# KiCad board Marble.kicad_pcb (continued)
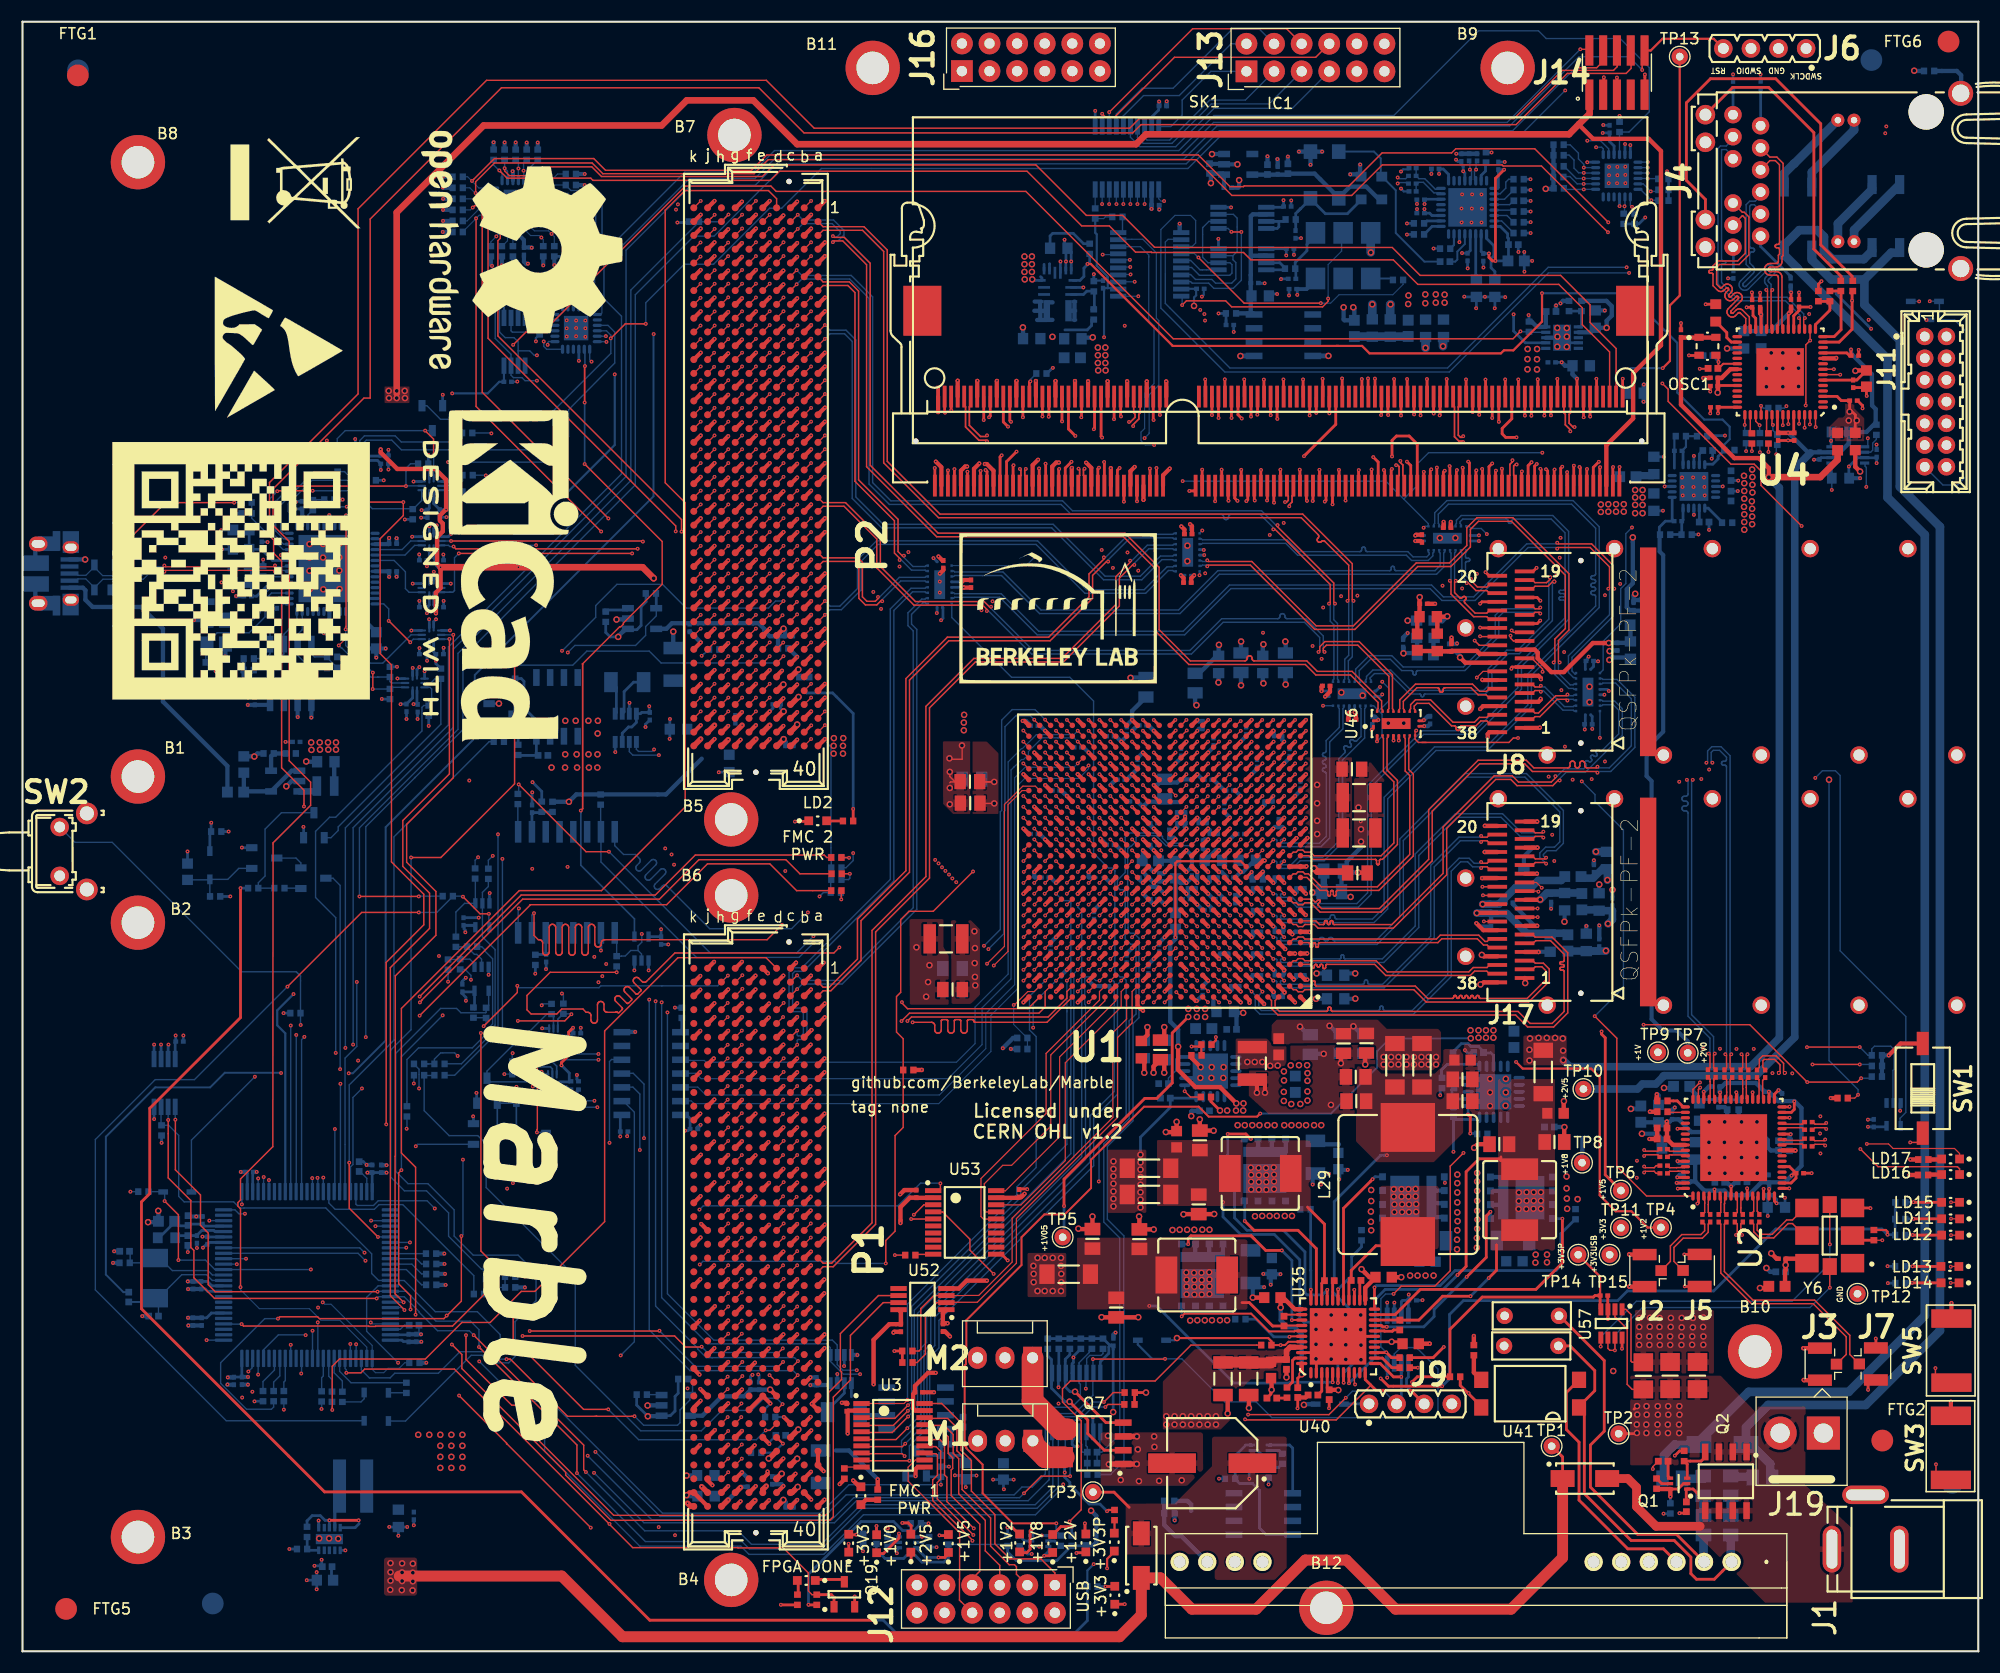
[diagram p0: board, top side]
## Routing (per net, layer and track width the routed paths; a pad name or vN(x,y) marks a point on that pad's centre or on a via; arc(x,y) is an arc through that point) (continued)
/SDRAM/DDR3_DQ40: length 39.6
  Top w0.254: v1(130.17,108.96) 130.17,108.95 SK1.147 ; U1.AF2 v1(117.12,85.73)
  In2.Cu w0.135: v1(130.17,108.96) 130.17,108.71 124.32,102.85 124.32,102.31 124.31,102.25 124.29,102.18 124.25,102.13 124.2,102.08 124.15,102.04 124.08,102.02 124.02,102.01 123.95,102.01 123.88,102.01 123.82,101.98 123.76,101.95 123.72,101.9 123.68,101.84 123.66,101.78 123.65,101.71 123.66,101.65 123.68,101.58 123.72,101.53 123.76,101.48 123.82,101.44 123.88,101.42 123.95,101.41 124.02,101.41 124.08,101.41 124.15,101.38 124.2,101.35 124.25,101.3 124.29,101.24 124.31,101.18 124.32,101.11 124.32,99.24 124.31,99.17 124.29,99.11 124.25,99.05 124.2,99.01 124.15,98.97 124.08,98.95 124.02,98.94 123.87,98.94 123.8,98.93 123.74,98.91 123.68,98.88 123.63,98.83 123.6,98.77 123.58,98.71 123.57,98.64 123.58,98.57 123.6,98.51 123.63,98.45 123.68,98.41 123.74,98.37 123.8,98.35 123.87,98.34 124.87,98.34 124.93,98.33 125,98.31 125.05,98.28 125.1,98.23 125.14,98.17 125.16,98.11 125.17,98.04 125.16,97.97 125.14,97.91 125.1,97.85 125.05,97.81 125,97.77 124.93,97.75 124.87,97.74 123.87,97.74 123.8,97.73 123.74,97.71 123.68,97.68 123.63,97.63 123.6,97.57 123.58,97.51 123.57,97.44 123.58,97.37 123.6,97.31 123.63,97.25 123.68,97.21 123.74,97.17 123.8,97.15 123.87,97.14 124.87,97.14 124.93,97.13 125,97.11 125.05,97.08 125.1,97.03 125.14,96.97 125.16,96.91 125.17,96.84 125.16,96.77 125.14,96.71 125.1,96.65 125.05,96.61 125,96.57 124.93,96.55 124.87,96.54 123.87,96.54 123.8,96.53 123.74,96.51 123.68,96.48 123.63,96.43 123.6,96.37 123.58,96.31 123.57,96.24 123.58,96.17 123.6,96.11 123.63,96.05 123.68,96.01 123.74,95.97 123.8,95.95 123.87,95.94 124.87,95.94 124.93,95.93 125,95.91 125.05,95.88 125.1,95.83 125.14,95.77 125.16,95.71 125.17,95.64 125.16,95.57 125.14,95.51 125.1,95.45 125.05,95.41 125,95.37 124.93,95.35 124.87,95.34 124.62,95.34 124.55,95.33 124.49,95.31 124.43,95.28 124.38,95.23 124.35,95.17 124.33,95.11 124.32,95.04 124.32,94.62 117.12,87.42 v1(117.12,85.73)
/SDRAM/DDR3_DQ41: length 39.6
  Top w0.254: SK1.149 130.77,108.55 130.88,108.66 v1(130.9,108.66) ; U1.AE2 v1(117.12,84.73)
  In2.Cu w0.135: v1(117.12,84.73) 117.46,85.07 117.46,86.98 125.42,94.94 125.42,98.75 125.43,98.82 125.45,98.88 125.49,98.94 125.54,98.98 125.59,99.02 125.66,99.04 125.72,99.05 125.98,99.05 126.04,99.06 126.11,99.08 126.16,99.11 126.21,99.16 126.25,99.22 126.27,99.28 126.28,99.35 126.27,99.42 126.25,99.48 126.21,99.54 126.16,99.58 126.11,99.62 126.04,99.64 125.98,99.65 124.97,99.65 124.9,99.66 124.84,99.68 124.78,99.71 124.73,99.76 124.7,99.82 124.68,99.88 124.67,99.95 124.68,100.02 124.7,100.08 124.73,100.14 124.78,100.18 124.84,100.22 124.9,100.24 124.97,100.25 125.98,100.25 126.04,100.26 126.11,100.28 126.16,100.31 126.21,100.36 126.25,100.42 126.27,100.48 126.28,100.55 126.27,100.62 126.25,100.68 126.21,100.74 126.16,100.78 126.11,100.82 126.04,100.84 125.98,100.85 124.97,100.85 124.9,100.86 124.84,100.88 124.78,100.91 124.73,100.96 124.7,101.02 124.68,101.08 124.67,101.15 124.68,101.22 124.7,101.28 124.73,101.34 124.78,101.38 124.84,101.42 124.9,101.44 124.97,101.45 125.98,101.45 126.04,101.46 126.11,101.48 126.16,101.51 126.21,101.56 126.25,101.62 126.27,101.68 126.28,101.75 126.27,101.82 126.25,101.88 126.21,101.94 126.16,101.98 126.11,102.02 126.04,102.04 125.98,102.05 124.97,102.05 124.9,102.06 124.84,102.08 124.78,102.11 124.73,102.16 124.7,102.22 124.68,102.28 124.67,102.35 124.68,102.42 124.7,102.48 124.73,102.54 124.78,102.58 124.84,102.62 124.9,102.64 124.97,102.65 125.12,102.65 125.19,102.66 125.25,102.68 125.31,102.71 125.36,102.76 125.39,102.82 125.41,102.88 125.42,102.95 125.42,103.19 v1(130.9,108.66)
/SDRAM/DDR3_DQ42: length 39.6
  Top w0.254: v1(133.06,109.5) 133.17,109.39 SK1.157 ; U1.AE1 v1(118.12,84.73)
  In4.Cu w0.135: v1(133.06,109.5) 133.06,110.32 132.67,110.7 131.67,110.7 131.34,110.37 131.34,109.76 131.69,109.41 131.69,108.93 131.67,108.91 131.67,108.56 131.76,108.47 131.76,106.96 127.77,102.98 127.77,102.14 124.56,98.92 124.56,92.71 124.01,92.17 123.96,92.13 123.9,92.1 123.84,92.08 123.78,92.08 123.72,92.1 123.66,92.13 123.56,92.21 123.5,92.24 123.44,92.25 123.37,92.25 123.31,92.24 123.25,92.21 123.2,92.17 123.18,92.15 123.14,92.1 123.11,92.04 123.1,91.98 123.1,91.91 123.11,91.85 123.14,91.79 123.18,91.74 123.39,91.54 123.38,91.53 123.58,91.33 123.62,91.28 123.65,91.22 123.66,91.16 123.66,91.09 123.65,91.03 123.62,90.97 123.58,90.92 123.56,90.9 123.51,90.86 123.45,90.84 123.39,90.82 123.33,90.82 123.26,90.84 123.21,90.86 123.1,90.94 123.05,90.97 122.98,90.99 122.92,90.99 122.86,90.97 122.8,90.94 122.75,90.9 122.17,90.33 122.17,87.85 120.67,86.35 120.67,85.87 119.53,84.73 v1(118.12,84.73)
/SDRAM/DDR3_DQ43: length 39.7
  Top w0.254: SK1.159 133.77,108.67 v1(133.8,108.7) ; U1.AD1 v1(118.12,83.73)
  In4.Cu w0.135: v1(118.12,83.73) 118.29,83.91 119.74,83.91 120.48,84.64 120.53,84.69 120.59,84.71 120.66,84.73 120.72,84.73 120.79,84.71 120.85,84.69 120.9,84.64 121.11,84.43 121.17,84.39 121.23,84.36 121.29,84.34 121.36,84.34 121.42,84.36 121.49,84.39 121.54,84.43 121.58,84.48 121.61,84.54 121.62,84.61 121.62,84.68 121.61,84.74 121.58,84.8 121.54,84.85 121.11,85.28 121.13,85.3 120.97,85.46 120.94,85.5 120.92,85.54 120.91,85.59 120.91,85.64 120.92,85.69 120.94,85.74 120.97,85.78 121.08,85.88 121.12,85.91 121.16,85.93 121.21,85.95 121.26,85.95 121.31,85.93 121.36,85.91 121.43,85.85 121.48,85.83 121.53,85.82 121.58,85.82 121.63,85.83 121.67,85.85 121.71,85.88 121.71,86.63 122.87,87.79 122.87,88.85 122.88,88.87 122.88,89.32 123.41,89.85 123.44,89.89 123.46,89.93 123.47,89.97 123.47,90.02 123.46,90.06 123.44,90.1 123.39,90.17 123.37,90.21 123.36,90.26 123.36,90.3 123.37,90.35 123.39,90.39 123.41,90.42 123.56,90.56 123.59,90.59 123.63,90.61 123.67,90.62 123.72,90.62 123.76,90.61 123.8,90.59 123.84,90.56 124.3,90.1 124.35,90.06 124.41,90.03 124.48,90.02 124.55,90.02 124.61,90.03 124.67,90.06 124.72,90.1 124.77,90.15 124.79,90.21 124.81,90.28 124.81,90.35 124.79,90.41 124.77,90.47 124.72,90.53 123.98,91.27 123.94,91.32 123.91,91.38 123.89,91.45 123.89,91.52 123.91,91.58 123.94,91.64 123.98,91.69 124.03,91.74 124.09,91.77 124.16,91.78 124.23,91.78 124.29,91.77 124.35,91.74 124.4,91.69 124.62,91.48 124.67,91.44 124.73,91.41 124.8,91.4 124.86,91.4 124.93,91.41 124.99,91.44 125.04,91.48 125.04,98.1 129.11,102.16 129.11,102.96 129.74,103.6 129.74,104.24 133.8,108.31 v1(133.8,108.7)
/SDRAM/DDR3_DQ44: length 39.7
  Top w0.2: 114.08,84.69 v1(114.08,84.73)
  Top w0.254: v1(129.88,113.93) 129.87,113.95 SK1.146 ; U1.AE5 114.08,84.69
  In2.Cu w0.135: v1(114.08,84.73) 114.63,85.28 114.63,88.06 117.42,90.86 117.42,94.01 118.25,94.84 118.25,99.28 127.77,108.8 127.77,111.83 127.93,111.99 127.98,112.03 128.04,112.06 128.11,112.07 128.18,112.07 128.24,112.06 128.3,112.03 128.35,111.99 128.42,111.92 128.47,111.88 128.53,111.85 128.6,111.83 128.67,111.83 128.73,111.85 128.79,111.88 128.85,111.92 128.89,111.97 128.92,112.03 128.93,112.1 128.93,112.17 128.92,112.23 128.89,112.29 128.85,112.34 128.39,112.8 128.36,112.84 128.33,112.89 128.32,112.94 128.32,113 128.33,113.05 128.36,113.1 128.39,113.15 128.47,113.22 128.51,113.25 128.56,113.28 128.61,113.29 128.67,113.29 128.72,113.28 128.77,113.25 128.86,113.19 128.91,113.16 128.96,113.15 129.02,113.15 129.07,113.16 129.12,113.19 129.17,113.22 v1(129.88,113.93)
/SDRAM/DDR3_DQ45: length 39.6
  Top w0.254: U1.AE6 v1(113.12,84.73) ; SK1.148 130.47,113.81 v1(130.43,113.77)
  In7.Cu w0.135: v1(130.43,113.77) 127.8,111.14 126.17,111.14 125.64,110.61 125.64,108.57 117.04,99.96 117.04,91.24 113.47,87.67 113.47,85.08 v1(113.12,84.73)
/SDRAM/DDR3_DQ46: length 39.6
  Top w0.254: v1(133.46,114.07) 133.47,114.08 SK1.158 ; U1.AF3 v1(116.12,85.73)
  In2.Cu w0.135: v1(133.46,114.07) 133.04,114.07 131.76,112.8 131.71,112.75 131.65,112.73 131.59,112.71 131.52,112.71 131.45,112.73 131.39,112.75 131.34,112.8 131.13,113.01 131.08,113.05 131.02,113.08 130.95,113.09 130.89,113.09 130.82,113.08 130.76,113.05 130.71,113.01 130.67,112.95 130.64,112.89 130.62,112.83 130.62,112.76 130.64,112.69 130.67,112.63 130.71,112.58 131.13,112.16 131.11,112.14 131.2,112.05 131.21,112.03 131.22,112.01 131.23,111.98 131.23,111.95 131.22,111.93 131.21,111.9 131.2,111.88 130.94,111.63 130.92,111.61 130.9,111.6 130.87,111.59 130.84,111.59 130.82,111.6 130.79,111.61 130.75,111.65 130.72,111.66 130.7,111.66 130.67,111.66 130.64,111.66 130.62,111.65 130.6,111.63 128.17,109.2 128.17,108.25 119.15,99.23 119.15,94.35 118.32,93.53 118.32,90.16 116.12,87.96 v1(116.12,85.73)
/SDRAM/DDR3_DQ47: length 39.7
  Top w0.2: 116.11,84.73 v1(116.13,84.73)
  Top w0.254: SK1.160 134.07,113.82 v1(134.07,113.82) ; U1.AE3 116.11,84.73
  In2.Cu w0.135: v1(116.13,84.73) 116.58,85.18 116.58,87.63 123.31,94.36 123.31,102.66 128.61,107.95 128.61,108.86 132.52,112.77 133.84,112.77 134.07,113 v1(134.07,113.82)
/SDRAM/DDR3_DQ48: length 49.2
  Top w0.254: U1.AA3 v1(116.12,80.73) ; SK1.163 134.97,109.04 v1(135.26,109.34)
  In4.Cu w0.135: v1(116.12,80.73) 116.47,81.08 116.47,81.11 116.71,81.35 120.28,81.35 123.05,84.12 123.05,85.25 127.62,89.82 127.62,92.04 126.44,93.22 126.44,97.21 131.24,102.01 132.09,102.01 133.65,103.57 133.66,103.58 133.68,103.59 133.7,103.59 133.72,103.59 133.74,103.59 133.76,103.58 133.79,103.56 133.81,103.55 133.83,103.54 133.85,103.54 133.87,103.55 133.88,103.56 133.9,103.57 134.2,103.87 134.21,103.88 134.22,103.9 134.22,103.92 134.22,103.94 134.22,103.96 134.21,103.98 134.2,103.99 133.69,104.5 133.65,104.55 133.62,104.61 133.6,104.68 133.6,104.75 133.62,104.81 133.65,104.87 133.69,104.92 133.74,104.97 133.8,104.99 133.87,105.01 133.94,105.01 134,104.99 134.06,104.97 134.12,104.92 134.35,104.69 134.4,104.65 134.46,104.62 134.53,104.61 134.59,104.61 134.66,104.62 134.72,104.65 134.77,104.69 135.09,105.01 135.09,105.37 135.08,105.44 135.06,105.5 135.02,105.56 134.98,105.61 134.92,105.64 134.86,105.67 134.79,105.67 134.46,105.67 134.39,105.68 134.33,105.7 134.27,105.74 134.23,105.79 134.19,105.84 134.17,105.91 134.16,105.97 134.17,106.04 134.19,106.1 134.23,106.16 134.27,106.21 134.33,106.24 134.39,106.27 134.46,106.27 135.72,106.27 135.79,106.28 135.85,106.3 135.91,106.34 135.95,106.39 135.99,106.44 136.01,106.51 136.02,106.57 136.01,106.64 135.99,106.7 135.95,106.76 135.91,106.81 135.85,106.84 135.79,106.87 135.72,106.87 134.46,106.87 134.39,106.88 134.33,106.9 134.27,106.94 134.23,106.99 134.19,107.04 134.17,107.11 134.16,107.17 134.17,107.24 134.19,107.3 134.23,107.36 134.27,107.41 134.33,107.44 134.39,107.47 134.46,107.47 134.79,107.47 134.86,107.48 134.92,107.5 134.98,107.54 135.02,107.59 135.06,107.64 135.08,107.71 135.09,107.77 135.09,109.16 v1(135.26,109.34)
  In7.Cu w0.112: v1(116.12,80.73) 116.12,80.75
/SDRAM/DDR3_DQ49: length 48.5
  Top w0.254: U1.AC2 v1(117.12,82.73) ; v1(135.61,108.68) 135.57,108.64 SK1.165
  In7.Cu w0.135: v1(117.12,82.73) 117.47,83.08 120.64,83.08 123.88,86.32 123.88,90.35 126.86,93.32 126.86,100.28 127.42,100.84 127.46,100.9 127.49,100.96 127.5,101.02 127.5,101.09 127.49,101.15 127.46,101.21 127.42,101.27 127.18,101.51 127.13,101.56 127.1,101.62 127.09,101.69 127.09,101.75 127.1,101.82 127.13,101.88 127.18,101.93 127.23,101.97 127.29,102 127.35,102.02 127.42,102.02 127.49,102 127.55,101.97 127.6,101.93 127.84,101.69 127.89,101.65 127.95,101.62 128.02,101.61 128.09,101.61 128.15,101.62 128.21,101.65 128.32,101.73 128.38,101.76 128.44,101.78 128.51,101.78 128.58,101.76 128.64,101.73 128.69,101.69 128.93,101.45 128.98,101.41 129.04,101.38 129.11,101.36 129.18,101.36 129.24,101.38 129.3,101.41 129.35,101.45 129.4,101.5 129.43,101.56 129.44,101.63 129.44,101.7 129.43,101.76 129.4,101.82 129.35,101.87 128.69,102.54 128.65,102.59 128.62,102.65 128.61,102.71 128.61,102.78 128.62,102.84 128.65,102.9 128.69,102.95 128.7,102.96 128.75,103 128.81,103.03 128.87,103.05 128.94,103.05 129.01,103.03 129.07,103 129.12,102.96 129.52,102.56 129.56,102.52 129.62,102.5 129.68,102.48 129.74,102.48 129.8,102.5 129.85,102.52 129.9,102.56 129.94,102.6 129.98,102.65 130.01,102.7 130.02,102.76 130.02,102.82 130.01,102.88 129.98,102.94 129.94,102.99 129.3,103.63 129.25,103.68 129.23,103.74 129.21,103.81 129.21,103.88 129.23,103.94 129.25,104 129.3,104.05 129.35,104.1 129.41,104.12 129.48,104.14 129.54,104.14 129.61,104.12 129.67,104.1 129.72,104.05 129.96,103.81 130.01,103.77 130.08,103.74 130.14,103.73 130.21,103.73 130.27,103.74 130.33,103.77 130.39,103.81 130.39,104.14 130.82,104.57 130.87,104.61 130.93,104.64 130.99,104.66 131.06,104.66 131.13,104.64 131.19,104.61 131.24,104.57 131.41,104.4 131.46,104.36 131.52,104.33 131.59,104.32 131.66,104.32 131.72,104.33 131.78,104.36 131.83,104.4 131.88,104.45 131.91,104.51 131.92,104.58 131.92,104.65 131.91,104.71 131.88,104.77 131.83,104.83 131,105.66 130.96,105.71 130.93,105.77 130.91,105.84 130.91,105.91 130.93,105.97 130.96,106.03 131,106.09 131.05,106.13 131.11,106.16 131.18,106.17 131.24,106.17 131.31,106.16 131.37,106.13 131.42,106.09 131.66,105.84 131.72,105.8 131.78,105.77 131.84,105.76 131.91,105.76 131.97,105.77 132.04,105.8 132.09,105.84 132.98,106.74 133.03,106.78 133.09,106.81 133.16,106.82 133.23,106.82 133.29,106.81 133.35,106.78 133.41,106.74 133.41,106.74 133.46,106.7 133.52,106.67 133.59,106.65 133.65,106.65 133.72,106.67 133.78,106.7 133.83,106.74 133.87,106.79 133.9,106.85 133.92,106.92 133.92,106.98 133.9,107.05 133.87,107.11 133.83,107.16 133.4,107.59 133.36,107.64 133.33,107.7 133.32,107.77 133.32,107.83 133.33,107.9 133.36,107.96 133.4,108.01 133.46,108.05 133.52,108.08 133.58,108.1 133.65,108.1 133.72,108.08 133.78,108.05 133.83,108.01 133.83,108.01 133.88,107.97 133.94,107.94 134.01,107.93 134.08,107.93 134.14,107.94 134.2,107.97 134.25,108.01 134.92,108.68 v1(135.61,108.68)
/SDRAM/DDR3_DQ50: length 48.5
  Top w0.254: U1.V2 v1(117.12,77.73) ; SK1.175 138.57,109.14 v1(138.88,109.45)
  In2.Cu w0.135: v1(117.12,77.73) 117.46,78.07 118.48,78.07 118.97,78.57 119.98,78.57 125.41,84 125.41,84.42 126.9,85.91 127.66,85.91 134.83,93.08 134.83,98.45 138.54,102.16 138.54,103.6 138.53,103.67 138.51,103.73 138.47,103.79 138.42,103.84 138.37,103.87 138.3,103.9 138.24,103.9 137.97,103.9 137.9,103.91 137.84,103.93 137.78,103.97 137.74,104.02 137.7,104.07 137.68,104.14 137.67,104.2 137.68,104.27 137.7,104.33 137.74,104.39 137.78,104.44 137.84,104.47 137.9,104.5 137.97,104.5 138.69,104.5 138.73,104.51 138.76,104.52 138.79,104.54 138.82,104.56 138.83,104.59 138.85,104.63 138.85,104.66 138.85,104.95 138.85,104.98 138.83,105.01 138.82,105.04 138.79,105.07 138.76,105.09 138.73,105.1 138.69,105.1 137.97,105.1 137.9,105.11 137.84,105.13 137.78,105.17 137.74,105.22 137.7,105.27 137.68,105.34 137.67,105.4 137.68,105.47 137.7,105.53 137.74,105.59 137.78,105.64 137.84,105.67 137.9,105.7 137.97,105.7 138.24,105.7 138.3,105.71 138.37,105.73 138.42,105.77 138.47,105.82 138.51,105.87 138.53,105.94 138.54,106 138.54,107.12 138.88,107.47 v1(138.88,109.45)
/SDRAM/DDR3_DQ51: length 48.6
  Top w0.254: U1.V1 v1(118.12,77.73) ; SK1.177 139.17,109.09 v1(139.37,109.29)
  In2.Cu w0.135: v1(139.37,109.29) 139.18,109.1 139.18,106.9 139.17,106.86 139.16,106.83 139.14,106.79 139.11,106.77 139.08,106.75 139.05,106.74 138.97,106.73 138.94,106.72 138.91,106.7 138.88,106.67 138.86,106.64 138.85,106.6 138.84,106.57 138.84,106.3 138.85,106.26 138.86,106.23 138.88,106.19 138.91,106.17 138.94,106.15 138.97,106.14 139.01,106.13 139.18,106.13 139.18,106.1 139.76,106.1 139.83,106.09 139.89,106.07 139.95,106.03 139.99,105.99 140.03,105.93 140.05,105.87 140.06,105.8 140.05,105.73 140.03,105.67 139.99,105.61 139.95,105.56 139.89,105.53 139.83,105.51 139.76,105.5 139.48,105.5 139.41,105.49 139.35,105.47 139.29,105.43 139.24,105.39 139.21,105.33 139.18,105.27 139.18,105.2 139.18,105.13 139.21,105.07 139.24,105.01 139.29,104.96 139.35,104.93 139.41,104.91 139.48,104.9 139.76,104.9 139.83,104.89 139.89,104.87 139.95,104.83 139.99,104.79 140.03,104.73 140.05,104.67 140.06,104.6 140.05,104.53 140.03,104.47 139.99,104.41 139.95,104.36 139.89,104.33 139.83,104.31 139.76,104.3 138.98,104.3 138.94,104.29 138.9,104.28 138.86,104.26 138.83,104.23 138.81,104.19 138.8,104.15 138.79,104.11 138.79,103.89 138.8,103.85 138.81,103.81 138.83,103.77 138.86,103.74 138.9,103.72 138.94,103.7 139.03,103.69 139.07,103.68 139.1,103.66 139.13,103.63 139.16,103.59 139.17,103.55 139.18,103.51 139.18,102.24 135.24,98.3 135.24,92.66 126.76,84.18 126.02,84.18 125.74,83.9 125.74,83.35 119.97,77.59 118.71,77.59 118.57,77.73 v1(118.12,77.73)
/SDRAM/DDR3_DQ52: length 51.6
  Top w0.254: U1.AB2 v1(117.12,81.73) ; v1(135.26,113.53) 135.27,113.53 SK1.164
  In4.Cu w0.135: v1(117.12,81.73) 117.45,82.06 119.23,82.06 ; 119.23,82.06 119.91,82.06 122.5,84.65 122.5,85.64 123.83,86.97 123.83,88.74 125.8,90.71 125.8,93.92 125.8,93.97 125.78,94.02 125.75,94.07 125.71,94.11 125.66,94.14 125.61,94.16 125.5,94.17 125.44,94.19 125.4,94.22 125.36,94.26 125.33,94.31 125.31,94.36 125.3,94.42 125.3,94.52 125.31,94.57 125.33,94.62 125.36,94.67 125.4,94.71 125.44,94.74 125.5,94.76 125.55,94.77 125.98,94.77 126.02,94.77 126.05,94.78 126.09,94.8 126.12,94.83 126.14,94.86 126.15,94.9 126.15,94.94 126.15,95.19 126.15,95.23 126.14,95.27 126.12,95.3 126.09,95.33 126.05,95.35 126.02,95.36 125.98,95.37 125.55,95.37 125.5,95.37 125.44,95.39 125.4,95.42 125.36,95.46 125.33,95.51 125.31,95.56 125.3,95.62 125.3,95.72 125.31,95.77 125.33,95.82 125.36,95.87 125.4,95.91 125.44,95.94 125.5,95.96 125.55,95.97 125.98,95.97 126.02,95.97 126.05,95.98 126.09,96 126.12,96.03 126.14,96.06 126.15,96.1 126.15,96.14 126.15,96.39 126.15,96.43 126.14,96.47 126.12,96.5 126.09,96.53 126.05,96.55 126.02,96.56 125.98,96.57 125.55,96.57 125.5,96.57 125.44,96.59 125.4,96.62 125.36,96.66 125.33,96.71 125.31,96.76 125.3,96.82 125.3,96.92 125.31,96.97 125.33,97.02 125.36,97.07 125.4,97.11 125.44,97.14 125.5,97.16 125.61,97.17 125.66,97.19 125.71,97.22 125.75,97.26 125.78,97.31 125.8,97.36 125.8,97.42 125.8,97.62 126.24,98.05 126.28,98.08 126.32,98.1 126.37,98.12 126.42,98.12 126.47,98.1 126.52,98.08 126.6,98.02 126.64,98 126.69,97.99 126.74,97.99 126.79,98 126.84,98.02 126.88,98.05 126.98,98.16 127.01,98.2 127.04,98.24 127.05,98.29 127.05,98.34 127.04,98.39 127.01,98.44 126.98,98.48 126.61,98.85 126.57,98.9 126.54,98.96 126.52,99.03 126.52,99.09 126.54,99.16 126.57,99.22 126.61,99.27 126.66,99.31 126.72,99.34 126.79,99.36 126.86,99.36 126.92,99.34 126.98,99.31 127.03,99.27 127.41,98.9 127.45,98.87 127.49,98.85 127.54,98.84 127.59,98.84 127.64,98.85 127.68,98.87 127.72,98.9 127.83,99.01 127.86,99.05 127.88,99.09 127.89,99.14 127.89,99.19 127.88,99.24 127.86,99.28 127.83,99.32 127.46,99.7 127.42,99.75 127.39,99.81 127.37,99.87 127.37,99.94 127.39,100.01 127.42,100.07 127.46,100.12 127.51,100.16 127.57,100.19 127.64,100.21 127.7,100.21 127.77,100.19 127.83,100.16 127.88,100.12 128.25,99.75 128.29,99.72 128.34,99.7 128.39,99.68 128.44,99.68 128.49,99.7 128.53,99.72 128.57,99.75 128.68,99.85 128.71,99.89 128.73,99.94 128.74,99.99 128.74,100.04 128.73,100.09 128.71,100.13 128.68,100.17 128.31,100.54 128.27,100.6 128.24,100.66 128.22,100.72 128.22,100.79 128.24,100.86 128.27,100.92 128.31,100.97 128.36,101.01 128.42,101.04 128.49,101.05 128.55,101.05 128.62,101.04 128.68,101.01 128.78,100.93 128.84,100.9 128.91,100.88 128.98,100.88 129.04,100.9 129.1,100.93 129.16,100.97 129.73,101.54 129.73,102.67 130.39,103.33 130.39,104.14 134.72,108.48 134.72,112.98 v1(135.26,113.53) ; 119.23,82.06 119.47,82.06
/SDRAM/DDR3_DQ53: length 48.5
  Top w0.254: U1.Y3 v1(116.12,79.73) ; SK1.166 135.87,113.18 v1(135.87,113.17)
  In4.Cu w0.135: v1(135.87,113.17) 135.87,112.93 135.57,112.62 135.57,110.49 136.93,109.13 136.93,106.2 132.19,101.45 131.63,101.45 127.98,97.79 127.98,89.51 123.71,85.25 123.71,83.75 121.05,81.09 116.91,81.09 116.5,80.68 116.5,80.11 v1(116.12,79.73)
/SDRAM/DDR3_DQ54: length 48.4
  Top w0.254: U1.Y2 v1(117.12,79.73) ; v1(138.27,113.74) 138.27,113.75 SK1.174
  In2.Cu w0.135: v1(117.12,79.73) 117.61,79.73 118.97,81.09 119.91,81.09 123.54,84.72 123.54,85.33 127.82,89.61 127.86,89.64 127.91,89.67 127.96,89.68 128.02,89.68 128.08,89.67 128.13,89.64 128.17,89.61 128.21,89.57 128.25,89.54 128.3,89.51 128.35,89.5 128.41,89.5 128.46,89.51 128.51,89.54 128.56,89.57 128.59,89.62 128.62,89.67 128.63,89.72 128.63,89.78 128.62,89.83 128.59,89.88 128.56,89.93 127.85,90.63 127.82,90.68 127.79,90.73 127.78,90.78 127.78,90.84 127.79,90.89 127.82,90.94 127.85,90.99 127.9,91.02 127.95,91.05 128,91.06 128.06,91.06 128.11,91.05 128.16,91.02 128.21,90.99 128.52,90.67 128.57,90.63 128.62,90.61 128.67,90.6 128.73,90.6 128.78,90.61 128.83,90.63 128.88,90.67 129.56,91.35 129.56,99.39 133.55,103.38 133.55,104.76 137.86,109.08 137.86,109.36 137.98,109.48 137.98,113.45 v1(138.27,113.74)
/SDRAM/DDR3_DQ55: length 51.5
  Top w0.254: U1.Y1 v1(118.12,79.73) ; v1(138.87,113.73) 138.87,113.74 SK1.176
  In2.Cu w0.135: v1(138.87,113.73) 138.87,110.52 138.43,110.07 138.43,108.11 134.38,104.05 134.38,103.64 133.69,102.95 133.69,102.58 130.38,99.27 130.38,98.28 130.35,98.25 130.35,97.92 130.38,97.89 130.38,91 130.11,90.73 128.94,89.58 127.73,88.36 127.68,88.33 127.63,88.3 127.57,88.29 127.51,88.29 127.45,88.3 127.4,88.33 127.31,88.4 127.26,88.43 127.2,88.44 127.14,88.44 127.08,88.43 127.03,88.4 126.98,88.36 126.93,88.31 126.9,88.26 126.87,88.21 126.86,88.15 126.86,88.1 126.87,88.04 126.9,87.99 126.93,87.94 127.12,87.75 127.11,87.74 127.55,87.3 127.59,87.25 127.62,87.19 127.64,87.12 127.64,87.06 127.62,86.99 127.59,86.93 127.55,86.88 127.5,86.84 127.44,86.81 127.37,86.79 127.31,86.79 127.24,86.81 127.18,86.84 127.13,86.88 126.5,87.51 126.45,87.54 126.4,87.57 126.34,87.58 126.28,87.58 126.23,87.57 126.17,87.54 126.13,87.51 126.07,87.45 126.04,87.41 126.01,87.35 126,87.3 126,87.24 126.01,87.18 126.04,87.13 126.07,87.08 126.67,86.49 126.71,86.44 126.74,86.38 126.75,86.31 126.75,86.24 126.74,86.18 126.71,86.12 126.67,86.07 126.61,86.02 126.55,85.99 126.49,85.98 126.42,85.98 126.36,85.99 126.3,86.02 126.24,86.07 126.05,86.26 126,86.3 125.94,86.33 125.87,86.35 125.8,86.35 125.74,86.33 125.68,86.3 125.62,86.26 125.13,85.77 125.13,85.27 125.12,85.26 125.1,85.25 125.08,85.25 125.06,85.25 125.04,85.25 125.02,85.26 124.99,85.28 124.97,85.29 124.96,85.3 124.94,85.3 124.92,85.29 124.9,85.28 124.88,85.27 124.58,84.97 124.57,84.96 124.56,84.94 124.56,84.92 124.56,84.9 124.56,84.88 124.57,84.86 124.58,84.85 124.65,84.78 124.64,84.78 124.8,84.61 124.84,84.57 124.86,84.52 124.87,84.47 124.87,84.41 124.86,84.36 124.84,84.31 124.8,84.27 124.72,84.18 124.68,84.15 124.63,84.13 124.58,84.12 124.52,84.12 124.47,84.13 124.42,84.15 124.34,84.22 124.29,84.24 124.24,84.25 124.19,84.25 124.13,84.24 124.09,84.22 124.04,84.18 120.51,80.65 119.8,80.65 ; 119.8,80.65 118.91,80.65 118.12,79.86 v1(118.12,79.73) ; 119.8,80.65 119.89,80.65
/SDRAM/DDR3_DQ56: length 57.3
  Top w0.254: U1.W3 v1(116.12,78.73) ; SK1.181 140.37,108.65 v1(140.22,108.8)
  In4.Cu w0.135: v1(116.12,78.73) 116.46,79.07 116.46,79.45 116.74,79.72 116.74,80.03 117.04,80.33 121.16,80.33 121.54,80.71 124.32,83.57 124.32,84.46 125.23,85.37 125.23,85.66 128.5,88.92 128.5,96.24 129.98,97.73 129.98,98.95 132.06,101.03 133.78,101.03 135.4,102.66 135.45,102.71 135.48,102.77 135.49,102.83 135.49,102.9 135.48,102.97 135.45,103.03 135.4,103.08 135.19,103.29 135.15,103.34 135.12,103.4 135.11,103.47 135.11,103.54 135.12,103.6 135.15,103.66 135.19,103.71 135.25,103.76 135.31,103.79 135.37,103.8 135.44,103.8 135.51,103.79 135.57,103.76 135.62,103.71 136.29,103.05 136.34,103 136.4,102.97 136.47,102.96 136.53,102.96 136.6,102.97 136.66,103 136.71,103.05 136.75,103.1 136.78,103.16 136.8,103.22 136.8,103.29 136.78,103.36 136.75,103.42 136.71,103.47 136.04,104.14 136,104.19 135.97,104.25 135.96,104.32 135.96,104.38 135.97,104.45 136,104.51 136.04,104.56 136.09,104.61 136.16,104.63 136.22,104.65 136.29,104.65 136.35,104.63 136.41,104.61 136.47,104.56 137.14,103.89 137.19,103.85 137.25,103.82 137.31,103.81 137.38,103.81 137.45,103.82 137.51,103.85 137.56,103.89 137.6,103.95 137.63,104.01 137.65,104.07 137.65,104.14 137.63,104.21 137.6,104.27 137.56,104.32 136.89,104.99 136.85,105.04 136.82,105.1 136.8,105.17 136.8,105.23 136.82,105.3 136.85,105.36 136.89,105.41 136.94,105.45 137,105.48 137.07,105.5 137.14,105.5 137.2,105.48 137.26,105.45 137.32,105.41 137.98,104.74 138.04,104.7 138.1,104.67 138.16,104.66 138.23,104.66 138.3,104.67 138.36,104.7 138.41,104.74 138.45,104.8 138.48,104.86 138.49,104.92 138.49,104.99 138.48,105.05 138.45,105.11 138.41,105.17 137.74,105.84 137.7,105.89 137.67,105.95 137.65,106.01 137.65,106.08 137.67,106.15 137.7,106.21 137.74,106.26 137.79,106.3 137.85,106.33 137.92,106.35 137.99,106.35 138.05,106.33 138.11,106.3 138.16,106.26 138.83,105.59 138.89,105.55 138.95,105.52 139.01,105.51 139.08,105.51 139.14,105.52 139.2,105.55 139.26,105.59 139.3,105.64 139.33,105.7 139.34,105.77 139.34,105.84 139.33,105.9 139.3,105.96 139.26,106.02 138.59,106.68 138.55,106.74 138.52,106.8 138.5,106.86 138.5,106.93 138.52,107 138.55,107.06 138.59,107.11 138.64,107.15 138.7,107.18 138.77,107.19 138.83,107.19 138.9,107.18 138.96,107.15 139.01,107.11 139.22,106.9 139.28,106.86 139.34,106.83 139.4,106.81 139.47,106.81 139.53,106.83 139.59,106.86 139.65,106.9 139.98,107.23 139.98,108.56 v1(140.22,108.8)